# EAGLE board Mk4 Final a Panel score (EAGLE 9.0.1), part 6 of 24
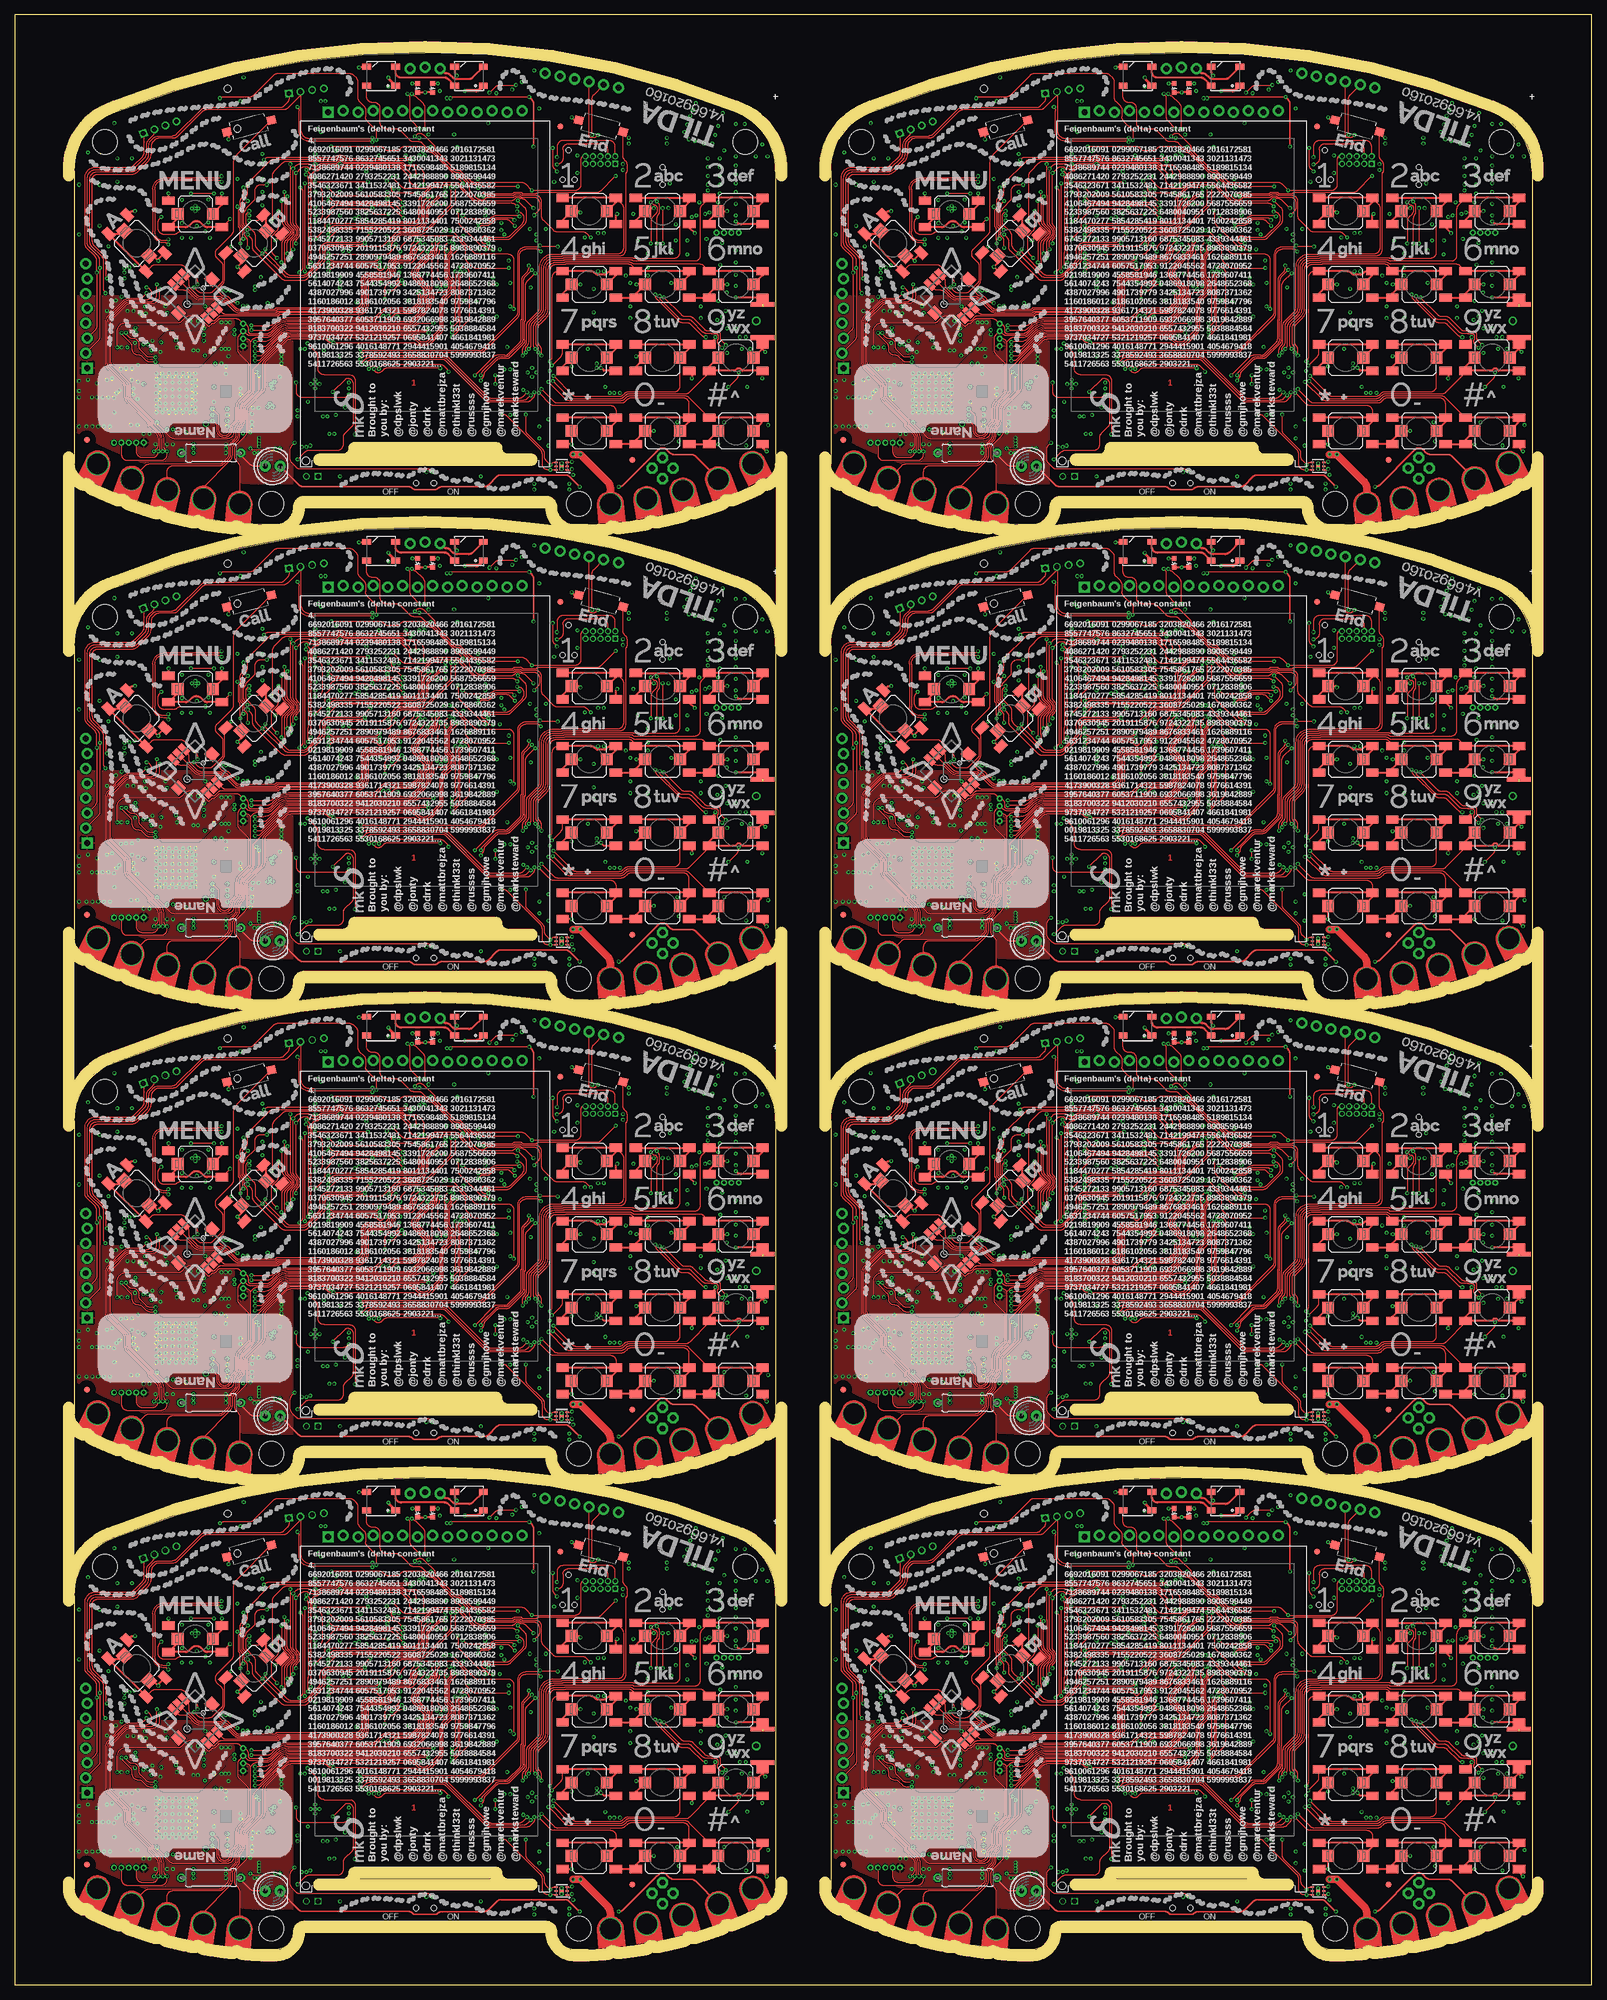
[diagram p0: board, top side]
## Nets (continued)
USB_SHIELD7: C778.2 R559.1 U22.SHIELD U22.SHIELD@0 U22.SHIELD@1 U22.SHIELD@2 U22.SHIELD@3 U22.SHIELD@5
V_UNREG: C40.1 IC8.15 IC8.16 L1.2 PCB.VBATT Q3.5 Q3.6 Q3.7 Q3.8 Q3.EP R13.2 R18.2 TP18.TP
V_UNREG1: C151.1 IC24.15 IC24.16 L12.2 PCB1.VBATT Q7.5 Q7.6 Q7.7 Q7.8 Q7.EP R96.2 R100.2 TP37.TP
V_UNREG2: C259.1 IC42.15 IC42.16 L21.2 PCB2.VBATT Q12.5 Q12.6 Q12.7 Q12.8 Q12.EP R174.2 R178.2 TP56.TP
V_UNREG3: C367.1 IC60.15 IC60.16 L30.2 PCB3.VBATT Q16.5 Q16.6 Q16.7 Q16.8 Q16.EP R252.2 R256.2 TP75.TP
V_UNREG4: C475.1 IC78.15 IC78.16 L39.2 PCB4.VBATT Q20.5 Q20.6 Q20.7 Q20.8 Q20.EP R330.2 R334.2 TP94.TP
V_UNREG5: C583.1 IC96.15 IC96.16 L48.2 PCB5.VBATT Q24.5 Q24.6 Q24.7 Q24.8 Q24.EP R408.2 R412.2 TP113.TP
V_UNREG6: C691.1 IC114.15 IC114.16 L57.2 PCB6.VBATT Q28.5 Q28.6 Q28.7 Q28.8 Q28.EP R486.2 R490.2 TP132.TP
V_UNREG7: C799.1 IC132.15 IC132.16 L66.2 PCB7.VBATT Q32.5 Q32.6 Q32.7 Q32.8 Q32.EP R564.2 R568.2 TP151.TP
VBAT: C34.1 C35.1 IC8.13 IC8.14 J5.2 TP14.TP
VBAT1: C146.1 C147.1 IC24.13 IC24.14 J12.2 TP33.TP
VBAT2: C254.1 C255.1 IC42.13 IC42.14 J22.2 TP52.TP
VBAT3: C362.1 C363.1 IC60.13 IC60.14 J32.2 TP71.TP
VBAT4: C470.1 C471.1 IC78.13 IC78.14 J42.2 TP90.TP
VBAT5: C578.1 C579.1 IC96.13 IC96.14 J52.2 TP109.TP
VBAT6: C686.1 C687.1 IC114.13 IC114.14 J62.2 TP128.TP
VBAT7: C794.1 C795.1 IC132.13 IC132.14 J72.2 TP147.TP
VBATT: C1.1 C29.+ C30.2 C31.2 C32.+ C46.1 D1.C IC5.34 IC5.35 IC9.1 IC9.7 JP2.2 LED1.1 LED2.1 Q3.1 Q3.2 Q3.3 TP15.TP
VBATT1: C111.1 C139.+ C140.2 C141.2 C142.+ C144.1 D3.C IC21.34 IC21.35 IC33.1 IC33.7 JP11.2 LED7.1 LED8.1 Q7.1 Q7.2 Q7.3 TP34.TP
VBATT2: C219.1 C247.+ C248.2 C249.2 C250.+ C252.1 D5.C IC39.34 IC39.35 IC51.1 IC51.7 JP20.2 LED13.1 LED14.1 Q12.1 Q12.2 Q12.3 TP53.TP
VBATT3: C327.1 C355.+ C356.2 C357.2 C358.+ C360.1 D7.C IC57.34 IC57.35 IC69.1 IC69.7 JP29.2 LED19.1 LED20.1 Q16.1 Q16.2 Q16.3 TP72.TP
VBATT4: C435.1 C463.+ C464.2 C465.2 C466.+ C468.1 D9.C IC75.34 IC75.35 IC87.1 IC87.7 JP38.2 LED25.1 LED26.1 Q20.1 Q20.2 Q20.3 TP91.TP
VBATT5: C543.1 C571.+ C572.2 C573.2 C574.+ C576.1 D11.C IC93.34 IC93.35 IC105.1 IC105.7 JP47.2 LED31.1 LED32.1 Q24.1 Q24.2 Q24.3 TP110.TP
VBATT6: C651.1 C679.+ C680.2 C681.2 C682.+ C684.1 D13.C IC111.34 IC111.35 IC123.1 IC123.7 JP56.2 LED37.1 LED38.1 Q28.1 Q28.2 Q28.3 TP129.TP
VBATT7: C759.1 C787.+ C788.2 C789.2 C790.+ C792.1 D15.C IC129.34 IC129.35 IC141.1 IC141.7 JP65.2 LED43.1 LED44.1 Q32.1 Q32.2 Q32.3 TP148.TP
VBUS: C41.1 IC1.96 IC7.5 IC8.1 IC8.24 L2.2 LED6.A TP7.TP
VBUS1: C152.1 IC20.96 IC23.5 IC24.1 IC24.24 L10.2 LED12.A TP26.TP
VBUS2: C260.1 IC38.96 IC41.5 IC42.1 IC42.24 L19.2 LED18.A TP45.TP
VBUS3: C368.1 IC56.96 IC59.5 IC60.1 IC60.24 L28.2 LED24.A TP64.TP
VBUS4: C476.1 IC74.96 IC77.5 IC78.1 IC78.24 L37.2 LED30.A TP83.TP
VBUS5: C584.1 IC92.96 IC95.5 IC96.1 IC96.24 L46.2 LED36.A TP102.TP
VBUS6: C692.1 IC110.96 IC113.5 IC114.1 IC114.24 L55.2 LED42.A TP121.TP
VBUS7: C800.1 IC128.96 IC131.5 IC132.1 IC132.24 L64.2 LED48.A TP140.TP
VBUS_L: L2.1 U1.VBUS
VBUS_L1: L10.1 U2.VBUS
VBUS_L2: L19.1 U7.VBUS
VBUS_L3: L28.1 U10.VBUS
VBUS_L4: L37.1 U13.VBUS
VBUS_L5: L46.1 U16.VBUS
VBUS_L6: L55.1 U19.VBUS
VBUS_L7: L64.1 U22.VBUS
VDD_ANA: C44.1 C61.1 C62.1 C63.1 IC15.25 IC15.36 IC15.48 L7.1
VDD_ANA1: C188.1 C189.1 C190.1 C191.1 IC29.25 IC29.36 IC29.48 L16.1
VDD_ANA2: C296.1 C297.1 C298.1 C299.1 IC47.25 IC47.36 IC47.48 L25.1
VDD_ANA3: C404.1 C405.1 C406.1 C407.1 IC65.25 IC65.36 IC65.48 L34.1
VDD_ANA4: C512.1 C513.1 C514.1 C515.1 IC83.25 IC83.36 IC83.48 L43.1
VDD_ANA5: C620.1 C621.1 C622.1 C623.1 IC101.25 IC101.36 IC101.48 L52.1
VDD_ANA6: C728.1 C729.1 C730.1 C731.1 IC119.25 IC119.36 IC119.48 L61.1
VDD_ANA7: C836.1 C837.1 C838.1 C839.1 IC137.25 IC137.36 IC137.48 L70.1
VDD_DIG_CC: C87.1 C96.1 C97.1 IC15.9 IC15.56 L9.1
VDD_DIG_CC1: C195.1 C204.1 C205.1 IC29.9 IC29.56 L18.1
VDD_DIG_CC2: C303.1 C312.1 C313.1 IC47.9 IC47.56 L27.1
VDD_DIG_CC3: C411.1 C420.1 C421.1 IC65.9 IC65.56 L36.1
VDD_DIG_CC4: C519.1 C528.1 C529.1 IC83.9 IC83.56 L45.1
VDD_DIG_CC5: C627.1 C636.1 C637.1 IC101.9 IC101.56 L54.1
VDD_DIG_CC6: C735.1 C744.1 C745.1 IC119.9 IC119.56 L63.1
VDD_DIG_CC7: C843.1 C852.1 C853.1 IC137.9 IC137.56 L72.1
VDD_EXT: IC5.40 R29.1
VDD_EXT1: IC21.40 R111.1
VDD_EXT2: IC39.40 R189.1
VDD_EXT3: IC57.40 R267.1
VDD_EXT4: IC75.40 R345.1
VDD_EXT5: IC93.40 R423.1
VDD_EXT6: IC111.40 R501.1
VDD_EXT7: IC129.40 R579.1
VDD_PA: C84.1 C85.1 C86.1 IC15.33 IC15.42
VDD_PA1: C192.1 C193.1 C194.1 IC29.33 IC29.42
VDD_PA2: C300.1 C301.1 C302.1 IC47.33 IC47.42
VDD_PA3: C408.1 C409.1 C410.1 IC65.33 IC65.42
VDD_PA4: C516.1 C517.1 C518.1 IC83.33 IC83.42
VDD_PA5: C624.1 C625.1 C626.1 IC101.33 IC101.42
VDD_PA6: C732.1 C733.1 C734.1 IC119.33 IC119.42
VDD_PA7: C840.1 C841.1 C842.1 IC137.33 IC137.42
VDD_PLL: C94.1 IC15.24
VDD_PLL1: C202.1 IC29.24
VDD_PLL2: C310.1 IC47.24
VDD_PLL3: C418.1 IC65.24
VDD_PLL4: C526.1 IC83.24
VDD_PLL5: C634.1 IC101.24
VDD_PLL6: C742.1 IC119.24
VDD_PLL7: C850.1 IC137.24
VDD_RAM: C95.1 IC15.49
VDD_RAM1: C203.1 IC29.49
VDD_RAM2: C311.1 IC47.49
VDD_RAM3: C419.1 IC65.49
VDD_RAM4: C527.1 IC83.49
VDD_RAM5: C635.1 IC101.49
VDD_RAM6: C743.1 IC119.49
VDD_RAM7: C851.1 IC137.49
VDDC: C6.2 C7.2 C8.2 IC1.87 IC1.115
VDDC1: C116.2 C117.2 C118.2 IC20.87 IC20.115
VDDC2: C224.2 C225.2 C226.2 IC38.87 IC38.115
VDDC3: C332.2 C333.2 C334.2 IC56.87 IC56.115
VDDC4: C440.2 C441.2 C442.2 IC74.87 IC74.115
VDDC5: C548.2 C549.2 C550.2 IC92.87 IC92.115
VDDC6: C656.2 C657.2 C658.2 IC110.87 IC110.115
VDDC7: C764.2 C765.2 C766.2 IC128.87 IC128.115
WFIF_ANT_L [50R Single]: ANT1.1 C77.2 L6.2
WFIF_ANT_L1 [50R Single]: ANT3.1 C178.2 L15.2
WFIF_ANT_L2 [50R Single]: ANT5.1 C286.2 L24.2
WFIF_ANT_L3 [50R Single]: ANT7.1 C394.2 L33.2
WFIF_ANT_L4 [50R Single]: ANT9.1 C502.2 L42.2
WFIF_ANT_L5 [50R Single]: ANT11.1 C610.2 L51.2
WFIF_ANT_L6 [50R Single]: ANT13.1 C718.2 L60.2
WFIF_ANT_L7 [50R Single]: ANT15.1 C826.2 L69.2
WIFI_ANT [50R Single]: C76.2 FL1.OUT L6.1
WIFI_ANT1 [50R Single]: C177.2 FL2.OUT L15.1
WIFI_ANT2 [50R Single]: C285.2 FL3.OUT L24.1
WIFI_ANT3 [50R Single]: C393.2 FL4.OUT L33.1
WIFI_ANT4 [50R Single]: C501.2 FL5.OUT L42.1
WIFI_ANT5 [50R Single]: C609.2 FL6.OUT L51.1
WIFI_ANT6 [50R Single]: C717.2 FL7.OUT L60.1
WIFI_ANT7 [50R Single]: C825.2 FL8.OUT L69.1
WIFI_ANT_F [50R Single]: FL1.IN IC15.31
WIFI_ANT_F1 [50R Single]: FL2.IN IC29.31
WIFI_ANT_F2 [50R Single]: FL3.IN IC47.31
WIFI_ANT_F3 [50R Single]: FL4.IN IC65.31
WIFI_ANT_F4 [50R Single]: FL5.IN IC83.31
WIFI_ANT_F5 [50R Single]: FL6.IN IC101.31
WIFI_ANT_F6 [50R Single]: FL7.IN IC119.31
WIFI_ANT_F7 [50R Single]: FL8.IN IC137.31
WS2812_OUT: JP2.3 LED2.2
WS2812_OUT1: JP11.3 LED8.2
WS2812_OUT2: JP20.3 LED14.2
WS2812_OUT3: JP29.3 LED20.2
WS2812_OUT4: JP38.3 LED26.2
WS2812_OUT5: JP47.3 LED32.2
WS2812_OUT6: JP56.3 LED38.2
WS2812_OUT7: JP65.3 LED44.2
WS28212_1: LED1.2 LED2.4
WS28212_2: LED7.2 LED8.4
WS28212_3: LED13.2 LED14.4
WS28212_4: LED19.2 LED20.4
WS28212_5: LED25.2 LED26.4
WS28212_6: LED31.2 LED32.4
WS28212_7: LED37.2 LED38.4
WS28212_8: LED43.2 LED44.4
XOSC0: C18.2 IC1.66 X1.P$1
XOSC1: C19.2 IC1.67 X1.P$2
XOSC2: C128.2 IC20.66 X5.P$1
XOSC3: C129.2 IC20.67 X5.P$2
XOSC4: C236.2 IC38.66 X9.P$1
XOSC5: C237.2 IC38.67 X9.P$2
XOSC6: C344.2 IC56.66 X13.P$1
XOSC7: C345.2 IC56.67 X13.P$2
XOSC8: C452.2 IC74.66 X17.P$1
XOSC9: C453.2 IC74.67 X17.P$2
XOSC10: C560.2 IC92.66 X21.P$1
XOSC11: C561.2 IC92.67 X21.P$2
XOSC12: C668.2 IC110.66 X25.P$1
XOSC13: C669.2 IC110.67 X25.P$2
XOSC14: C776.2 IC128.66 X29.P$1
XOSC15: C777.2 IC128.67 X29.P$2

## Tracks (layer width: path | path; a pad name or v marks a point on that pad's centre or on a via)
3V1  (via drill 0.3)
  Top 0.2: IC34.1 223.69,15.35 arc45 v224.05,15.5
  Top 0.3: SW2.COM 162.58,42.17 v161.5,43.25
  Bottom 0.15: v213.5,24.75 C210.1 213,25.5 arc-90 212.5,26 212.5,26.16 arc-90 IC32.5
  Bottom 0.2: IC20.9 202,49.75 C123.2 | IC20.8 202.4,52.19 arc-45 202.55,52.55 v202.75,52.75 202.8,52.7 IC20.7 | IC20.16 199.2,50.01 arc45 199.35,49.65 C122.2 v199.5,48.75 | IC20.47 190.46,58.4 arc45 C120.2 | IC20.113 207.14,58.8 arc45 207.84,59.09 C119.2 | IC20.79 198.4,67.44 arc45 198.11,68.14 C121.2 | IC20.69 194.4,65.86 arc-45 v194.25,65.5 194.15,65.6 arc-45 194,65.96 IC20.68 | 159.75,33.28 IC29.47 | IC20.90 202.8,65.55 v202.75,65.5 | IC20.51 v190,60 190.11,60.11 arc-45 190.81,60.4 IC20.52 | IC20.39 v192.5,55.2 | IC20.28 194.4,50.35 arc90 v194.75,50 arc90 195.2,50.45 IC20.26 | R93.1 v206.5,51.5 | IC20.122 205.62,55.2 arc-45 v205.5,55.25 | v224.05,15.5 C212.1 | IC20.101 207.95,63.6 v208.1,63.45 | R106.2 v211.75,53 | R105.2 212.07,55.32 arc-45 v212.5,55.5 | R144.1 147.5,45.5 arc-45 v147.25,44.9
  Bottom 0.25: J6.41 191.25,44 | J6.40 191.75,43.29 arc45 191.6,43.65 191.25,44 | J6.42 190.75,43.29 arc-45 190.9,43.65 191.25,44 | J6.35 v194.25,41.5 | J6.1 v211.25,41.5 | J6.8 v207.75,44 | J6.7 208.25,43.5 v207.75,44 | J6.9 207.25,43.5 v207.75,44 | C123.2 202.25,48.12 C124.2 202.5,47.62 v202.5,46.75 | v189,58.1 C120.2 | v209.25,59.75 C119.2 | v198,69 C121.2 | R88.2 v198,72 | R89.2 v189,66.25 | C197.1 159.16,34.5 arc45 158.46,34.21 arc45 158.25,33.71 IC29.44 | IC29.39 155.75,35.55 C198.1 | IC29.37 154.75,35.35 C196.1 | C199.1 v155,22.25 155.46,22.71 arc45 155.75,23.41 IC29.10 | C200.1 v163,29.5 162.9,29.6 arc45 162.54,29.75 IC29.54 | IC31.21 C131.2 | v213,36.3 R152.2 | JP12.8 201.35,77.71 arc45 201.5,78.06 C113.2 | IC28.6 160.12,57.02 v160.05,56.95 C185.1
  Bottom 0.3: 160.22,33.75 159.75,33.28 | R151.2 v148.25,36.25 | JP10.1 224.63,68.63 v225,69 | IC27.14 233.81,65.44 R134.2 C172.2 v232.75,66.5 | IC22.8 208.35,52.15 C112.2 v208.25,53 | R94.1 v217,46.5 | C138.2 181.43,48.25 IC19.27 181.33,48.25 v180.25,48.25 | v171.25,60.5 arc-45 170.77,60.3 IC19.43 168.8,60.3 C134.2 | v171.25,65 171.15,65.1 IC19.49 168.85,65.1 C137.2 | v180.25,67.5 IC19.3 C132.2 | v180.25,69.25 180.4,69.1 IC19.1 182.65,69.1 C136.2 | v180.25,62.75 180.3,62.7 IC19.9 182.7,62.7 C133.2 | v180.25,58.75 180.3,58.7 IC19.14 182.7,58.7 C135.2 | C153.2 v165,40.5 | C153.2 165.75,41 v165.75,40.5 | C153.2 164.25,41 v164.25,40.5 | v218,55.5 R128.2 | C211.1 R138.1 | R104.2 R103.2 v184.3,54.75 | C196.1 v153.85,35.5 | C114.2 207.89,74.61 JP12.11 | v219.6,56.45 C171.2 219.03,56.73 IC26.8 | J16.7 J16.3 | J18.7 J18.3 | IC35.5 C215.1 v217.6,13
  Bottom 0.4: 160.22,33.75 161.19,33.75 arc45 161.89,34.04 C201.1 162.6,35.39 arc-45 162.75,35.75 v163,36 | v160.25,35.75 160.25,35.66 arc-45 159.96,34.96 159.7,34.7 C197.1 159.5,34.7 v159.5,35.75 | C198.1 156.1,35.7 v156.65,36.25 | v165.25,25.75 R146.2 | v165.25,23.75 R147.2 | v155,42.15 155.5,42.15 arc90 156.5,43.15 C186.2 156.5,43.53 arc45 156.21,44.24 IC30.8 | R145.2 v151.25,43.25 | v213.5,32.5 C131.2 | v167.95,21.6 R138.1 | C154.2 v159.5,19 | C154.2 160,19.75 v159.5,19.75 | C154.2 160,18.25 v159.5,18.25 | IC36.1 226.05,16 C216.1 224.96,16 arc45 224.26,15.71 v224.05,15.5 | TP35.TP 172.55,27.95 v172.55,26.65
  Bottom 0.5: C115.2 216.14,76 JP12.14
  other vias: 191.5,47.25 172.15,26.15 172.95,26.15 173.3,30.35 173,29.35 172.7,29.95
  pour 3V3@2 (isolate 0.254, rank 6): 139.2,68.5 139.2,15 arc31 171,6 173.7,6 arc90 176.5,8.8 arc-90 178.5,10.8 219.5,10.8 arc-90 221.5,8.8 arc90 224.3,6 227,6 arc31 258.8,15 258.8,38.5 252.5,38.5 252.5,68.5 258.8,68.5 arc64 252.25,76.25 arc24 199,86.5 arc24 145.75,76.25 arc55
  pour Bottom (no thermals): 191.25,46 191.25,47.3 191.45,47.5 191.8,47.5 192,47.3 192,45.75 191.5,45.25 191.5,43.75 191,43.75 191,45.75
  pour Bottom (no thermals): 175.3,21.65 173.75,21.65 173.35,22.05 arc45 172.99,22.2 171.85,22.2 171.85,29.39 arc-45 172,29.75 172.85,30.6 arc-45 173.21,30.75 173.25,30.75 arc-90 173.75,30.25 173.75,30.11 arc-45 173.6,29.75 173.45,29.6 arc45 173.3,29.24 173.3,23.4 arc90 173.8,22.9 174.8,22.9 arc-90 175.3,22.4
  pour Top: 163.35,40.85 161.65,39.15 arc-45 161.29,39 155.41,39 arc45 154.71,38.71 153.79,37.79 arc45 153.5,37.09 153.5,34 arc90 154.5,33 160.09,33 arc45 160.79,33.29 164.71,37.21 arc45 165,37.91 165,38.29 arc-45 165.15,38.65 166.35,39.85 arc45 166.5,40.21 166.5,40.5 arc90 166,41 163.71,41 arc45
3V2  (via drill 0.3)
  Top 0.2: IC52.1 94.69,96.35 arc45 v95.05,96.5
  Top 0.3: SW3.COM 33.58,123.17 v32.5,124.25
  Bottom 0.15: v84.5,105.75 C318.1 84,106.5 arc-90 83.5,107 83.5,107.16 arc-90 IC50.5
  Bottom 0.2: IC38.9 73,130.75 C231.2 | IC38.8 73.4,133.19 arc-45 73.55,133.55 v73.75,133.75 73.8,133.7 IC38.7 | IC38.16 70.2,131.01 arc45 70.35,130.65 C230.2 v70.5,129.75 | IC38.47 61.46,139.4 arc45 C228.2 | IC38.113 78.14,139.8 arc45 78.84,140.09 C227.2 | IC38.79 69.4,148.44 arc45 69.11,149.14 C229.2 | IC38.69 65.4,146.86 arc-45 v65.25,146.5 65.15,146.6 arc-45 65,146.96 IC38.68 | 30.75,114.28 IC47.47 | IC38.90 73.8,146.55 v73.75,146.5 | IC38.51 v61,141 61.11,141.11 arc-45 61.81,141.4 IC38.52 | IC38.39 v63.5,136.2 | IC38.28 65.4,131.35 arc90 v65.75,131 arc90 66.2,131.45 IC38.26 | R171.1 v77.5,132.5 | IC38.122 76.62,136.2 arc-45 v76.5,136.25 | v95.05,96.5 C320.1 | IC38.101 78.95,144.6 v79.1,144.45 | R184.2 v82.75,134 | R183.2 83.07,136.32 arc-45 v83.5,136.5 | R222.1 18.5,126.5 arc-45 v18.25,125.9
  Bottom 0.25: J21.41 62.25,125 | J21.40 62.75,124.29 arc45 62.6,124.65 62.25,125 | J21.42 61.75,124.29 arc-45 61.9,124.65 62.25,125 | J21.35 v65.25,122.5 | J21.1 v82.25,122.5 | J21.8 v78.75,125 | J21.7 79.25,124.5 v78.75,125 | J21.9 78.25,124.5 v78.75,125 | C231.2 73.25,129.12 C232.2 73.5,128.62 v73.5,127.75 | v60,139.1 C228.2 | v80.25,140.75 C227.2 | v69,150 C229.2 | R166.2 v69,153 | R167.2 v60,147.25 | C305.1 30.16,115.5 arc45 29.46,115.21 arc45 29.25,114.71 IC47.44 | IC47.39 26.75,116.55 C306.1 | IC47.37 25.75,116.35 C304.1 | C307.1 v26,103.25 26.46,103.71 arc45 26.75,104.41 IC47.10 | C308.1 v34,110.5 33.9,110.6 arc45 33.54,110.75 IC47.54 | IC49.21 C239.2 | v84,117.3 R230.2 | JP21.8 72.35,158.71 arc45 72.5,159.06 C221.2 | IC46.6 31.12,138.03 v31.05,137.95 C293.1
  Bottom 0.3: 31.22,114.75 30.75,114.28 | R229.2 v19.25,117.25 | JP19.1 95.63,149.63 v96,150 | IC45.14 104.81,146.44 R212.2 C280.2 v103.75,147.5 | IC40.8 79.35,133.15 C220.2 v79.25,134 | R172.1 v88,127.5 | C246.2 52.43,129.25 IC37.27 52.33,129.25 v51.25,129.25 | v42.25,141.5 arc-45 41.77,141.3 IC37.43 39.8,141.3 C242.2 | v42.25,146 42.15,146.1 IC37.49 39.85,146.1 C245.2 | v51.25,148.5 IC37.3 C240.2 | v51.25,150.25 51.4,150.1 IC37.1 53.65,150.1 C244.2 | v51.25,143.75 51.3,143.7 IC37.9 53.7,143.7 C241.2 | v51.25,139.75 51.3,139.7 IC37.14 53.7,139.7 C243.2 | C261.2 v36,121.5 | C261.2 36.75,122 v36.75,121.5 | C261.2 35.25,122 v35.25,121.5 | v89,136.5 R206.2 | C319.1 R216.1 | R182.2 R181.2 v55.3,135.75 | C304.1 v24.85,116.5 | C222.2 78.89,155.61 JP21.11 | v90.6,137.45 C279.2 90.03,137.72 IC44.8 | J26.7 J26.3 | J28.7 J28.3 | IC53.5 C323.1 v88.6,94
  Bottom 0.4: 31.22,114.75 32.19,114.75 arc45 32.89,115.04 C309.1 33.6,116.39 arc-45 33.75,116.75 v34,117 | v31.25,116.75 31.25,116.66 arc-45 30.96,115.96 30.7,115.7 C305.1 30.5,115.7 v30.5,116.75 | C306.1 27.1,116.7 v27.65,117.25 | v36.25,106.75 R224.2 | v36.25,104.75 R225.2 | v26,123.15 26.5,123.15 arc90 27.5,124.15 C294.2 27.5,124.53 arc45 27.21,125.24 IC48.8 | R223.2 v22.25,124.25 | v84.5,113.5 C239.2 | v38.95,102.6 R216.1 | C262.2 v30.5,100 | C262.2 31,100.75 v30.5,100.75 | C262.2 31,99.25 v30.5,99.25 | IC54.1 97.05,97 C324.1 95.96,97 arc45 95.26,96.71 v95.05,96.5 | TP54.TP 43.55,108.95 v43.55,107.65
  Bottom 0.5: C223.2 87.14,157 JP21.14
  other vias: 62.5,128.25 43.15,107.15 43.95,107.15 44.3,111.35 44,110.35 43.7,110.95
  pour 3V3@2 (isolate 0.254, rank 6): 10.2,149.5 10.2,96 arc31 42,87 44.7,87 arc90 47.5,89.8 arc-90 49.5,91.8 90.5,91.8 arc-90 92.5,89.8 arc90 95.3,87 98,87 arc31 129.8,96 129.8,119.5 123.5,119.5 123.5,149.5 129.8,149.5 arc64 123.25,157.25 arc24 70,167.5 arc24 16.75,157.25 arc55
  pour Bottom (no thermals): 62.25,127 62.25,128.3 62.45,128.5 62.8,128.5 63,128.3 63,126.75 62.5,126.25 62.5,124.75 62,124.75 62,126.75
  pour Bottom (no thermals): 46.3,102.65 44.75,102.65 44.35,103.05 arc45 43.99,103.2 42.85,103.2 42.85,110.39 arc-45 43,110.75 43.85,111.6 arc-45 44.21,111.75 44.25,111.75 arc-90 44.75,111.25 44.75,111.11 arc-45 44.6,110.75 44.45,110.6 arc45 44.3,110.24 44.3,104.4 arc90 44.8,103.9 45.8,103.9 arc-90 46.3,103.4
  pour Top: 34.35,121.85 32.65,120.15 arc-45 32.29,120 26.41,120 arc45 25.71,119.71 24.79,118.79 arc45 24.5,118.09 24.5,115 arc90 25.5,114 31.09,114 arc45 31.79,114.29 35.71,118.21 arc45 36,118.91 36,119.29 arc-45 36.15,119.65 37.35,120.85 arc45 37.5,121.21 37.5,121.5 arc90 37,122 34.71,122 arc45
3V3  (via drill 0.3)
  Top 0.2: IC17.1 94.69,15.35 arc45 v95.05,15.5
  Top 0.3: SW1.COM 33.58,42.17 v32.5,43.25
  Bottom 0.15: v84.5,24.75 C102.1 84,25.5 arc-90 83.5,26 83.5,26.16 arc-90 IC16.5
  Bottom 0.2: IC1.9 73,49.75 C13.2 | IC1.8 73.4,52.19 arc-45 73.55,52.55 v73.75,52.75 73.8,52.7 IC1.7 | IC1.16 70.2,50.01 arc45 70.35,49.65 C12.2 v70.5,48.75 | IC1.47 61.46,58.4 arc45 C10.2 | IC1.113 78.14,58.8 arc45 78.84,59.09 C9.2 | IC1.79 69.4,67.44 arc45 69.11,68.14 C11.2 | IC1.69 65.4,65.86 arc-45 v65.25,65.5 65.15,65.6 arc-45 65,65.96 IC1.68 | 30.75,33.28 IC15.47 | IC1.90 73.8,65.55 v73.75,65.5 | IC1.51 v61,60 61.11,60.11 arc-45 61.81,60.4 IC1.52 | IC1.39 v63.5,55.2 | IC1.28 65.4,50.35 arc90 v65.75,50 arc90 66.2,50.45 IC1.26 | R9.1 v77.5,51.5 | IC1.122 76.62,55.2 arc-45 v76.5,55.25 | v95.05,15.5 C104.1 | IC1.101 78.95,63.6 v79.1,63.45 | R24.2 v82.75,53 | R23.2 83.07,55.32 arc-45 v83.5,55.5 | R66.1 18.5,45.5 arc-45 v18.25,44.9
  Bottom 0.25: J2.41 62.25,44 | J2.40 62.75,43.29 arc45 62.6,43.65 62.25,44 | J2.42 61.75,43.29 arc-45 61.9,43.65 62.25,44 | J2.35 v65.25,41.5 | J2.1 v82.25,41.5 | J2.8 v78.75,44 | J2.7 79.25,43.5 v78.75,44 | J2.9 78.25,43.5 v78.75,44 | C13.2 73.25,48.12 C14.2 73.5,47.62 v73.5,46.75 | v60,58.1 C10.2 | v80.25,59.75 C9.2 | v69,69 C11.2 | R4.2 v69,72 | R5.2 v60,66.25 | C89.1 30.16,34.5 arc45 29.46,34.21 arc45 29.25,33.71 IC15.44 | IC15.39 26.75,35.55 C90.1 | IC15.37 25.75,35.35 C88.1 | C91.1 v26,22.25 26.46,22.71 arc45 26.75,23.41 IC15.10 | C92.1 v34,29.5 33.9,29.6 arc45 33.54,29.75 IC15.54 | IC4.21 C21.2 | v84,36.3 R76.2 | JP7.8 72.35,77.71 arc45 72.5,78.06 C3.2 | IC13.6 31.12,57.02 v31.05,56.95 C58.1
  Bottom 0.3: 31.22,33.75 30.75,33.28 | R73.2 v19.25,36.25 | JP4.1 95.63,68.63 v96,69 | IC12.14 104.81,65.44 R56.2 C71.2 v103.75,66.5 | IC6.8 79.35,52.15 C2.2 v79.25,53 | R10.1 v88,46.5 | C28.2 52.43,48.25 IC2.27 52.33,48.25 v51.25,48.25 | v42.25,60.5 arc-45 41.77,60.3 IC2.43 39.8,60.3 C24.2 | v42.25,65 42.15,65.1 IC2.49 39.85,65.1 C27.2 | v51.25,67.5 IC2.3 C22.2 | v51.25,69.25 51.4,69.1 IC2.1 53.65,69.1 C26.2 | v51.25,62.75 51.3,62.7 IC2.9 53.7,62.7 C23.2 | v51.25,58.75 51.3,58.7 IC2.14 53.7,58.7 C25.2 | C42.2 v36,40.5 | C42.2 36.75,41 v36.75,40.5 | C42.2 35.25,41 v35.25,40.5 | v89,55.5 R50.2 | C103.1 R60.1 | R22.2 R21.2 v55.3,54.75 | C88.1 v24.85,35.5 | C4.2 78.89,74.61 JP7.11 | v90.6,56.45 C70.2 90.03,56.73 IC11.8 | J10.7 J10.3 | J8.7 J8.3 | IC3.5 C107.1 v88.6,13
  Bottom 0.4: 31.22,33.75 32.19,33.75 arc45 32.89,34.04 C93.1 33.6,35.39 arc-45 33.75,35.75 v34,36 | v31.25,35.75 31.25,35.66 arc-45 30.96,34.96 30.7,34.7 C89.1 30.5,34.7 v30.5,35.75 | C90.1 27.1,35.7 v27.65,36.25 | v36.25,25.75 R68.2 | v36.25,23.75 R69.2 | v26,42.15 26.5,42.15 arc90 27.5,43.15 C59.2 27.5,43.53 arc45 27.21,44.24 IC14.8 | R67.2 v22.25,43.25 | v84.5,32.5 C21.2 | v38.95,21.6 R60.1 | C43.2 v30.5,19 | C43.2 31,19.75 v30.5,19.75 | C43.2 31,18.25 v30.5,18.25 | IC18.1 97.05,16 C108.1 95.96,16 arc45 95.26,15.71 v95.05,15.5 | TP16.TP 43.55,27.95 v43.55,26.65
  Bottom 0.5: C5.2 87.14,76 JP7.14
  other vias: 62.5,47.25 43.15,26.15 43.95,26.15 44.3,30.35 44,29.35 43.7,29.95
  pour 3V3@2 (isolate 0.254, rank 6): 10.2,68.5 10.2,15 arc31 42,6 44.7,6 arc90 47.5,8.8 arc-90 49.5,10.8 90.5,10.8 arc-90 92.5,8.8 arc90 95.3,6 98,6 arc31 129.8,15 129.8,38.5 123.5,38.5 123.5,68.5 129.8,68.5 arc64 123.25,76.25 arc24 70,86.5 arc24 16.75,76.25 arc55
  pour Bottom (no thermals): 62.25,46 62.25,47.3 62.45,47.5 62.8,47.5 63,47.3 63,45.75 62.5,45.25 62.5,43.75 62,43.75 62,45.75
  pour Bottom (no thermals): 46.3,21.65 44.75,21.65 44.35,22.05 arc45 43.99,22.2 42.85,22.2 42.85,29.39 arc-45 43,29.75 43.85,30.6 arc-45 44.21,30.75 44.25,30.75 arc-90 44.75,30.25 44.75,30.11 arc-45 44.6,29.75 44.45,29.6 arc45 44.3,29.24 44.3,23.4 arc90 44.8,22.9 45.8,22.9 arc-90 46.3,22.4
  pour Top: 34.35,40.85 32.65,39.15 arc-45 32.29,39 26.41,39 arc45 25.71,38.71 24.79,37.79 arc45 24.5,37.09 24.5,34 arc90 25.5,33 31.09,33 arc45 31.79,33.29 35.71,37.21 arc45 36,37.91 36,38.29 arc-45 36.15,38.65 37.35,39.85 arc45 37.5,40.21 37.5,40.5 arc90 37,41 34.71,41 arc45
3V4  (via drill 0.3)
  Top 0.2: IC70.1 223.69,96.35 arc45 v224.05,96.5
  Top 0.3: SW4.COM 162.58,123.17 v161.5,124.25
  Bottom 0.15: v213.5,105.75 C426.1 213,106.5 arc-90 212.5,107 212.5,107.16 arc-90 IC68.5
  Bottom 0.2: IC56.9 202,130.75 C339.2 | IC56.8 202.4,133.19 arc-45 202.55,133.55 v202.75,133.75 202.8,133.7 IC56.7 | IC56.16 199.2,131.01 arc45 199.35,130.65 C338.2 v199.5,129.75 | IC56.47 190.46,139.4 arc45 C336.2 | IC56.113 207.14,139.8 arc45 207.84,140.09 C335.2 | IC56.79 198.4,148.44 arc45 198.11,149.14 C337.2 | IC56.69 194.4,146.86 arc-45 v194.25,146.5 194.15,146.6 arc-45 194,146.96 IC56.68 | 159.75,114.28 IC65.47 | IC56.90 202.8,146.55 v202.75,146.5 | IC56.51 v190,141 190.11,141.11 arc-45 190.81,141.4 IC56.52 | IC56.39 v192.5,136.2 | IC56.28 194.4,131.35 arc90 v194.75,131 arc90 195.2,131.45 IC56.26 | R249.1 v206.5,132.5 | IC56.122 205.62,136.2 arc-45 v205.5,136.25 | v224.05,96.5 C428.1 | IC56.101 207.95,144.6 v208.1,144.45 | R262.2 v211.75,134 | R261.2 212.07,136.32 arc-45 v212.5,136.5 | R300.1 147.5,126.5 arc-45 v147.25,125.9
  Bottom 0.25: J31.41 191.25,125 | J31.40 191.75,124.29 arc45 191.6,124.65 191.25,125 | J31.42 190.75,124.29 arc-45 190.9,124.65 191.25,125 | J31.35 v194.25,122.5 | J31.1 v211.25,122.5 | J31.8 v207.75,125 | J31.7 208.25,124.5 v207.75,125 | J31.9 207.25,124.5 v207.75,125 | C339.2 202.25,129.12 C340.2 202.5,128.62 v202.5,127.75 | v189,139.1 C336.2 | v209.25,140.75 C335.2 | v198,150 C337.2 | R244.2 v198,153 | R245.2 v189,147.25 | C413.1 159.16,115.5 arc45 158.46,115.21 arc45 158.25,114.71 IC65.44 | IC65.39 155.75,116.55 C414.1 | IC65.37 154.75,116.35 C412.1 | C415.1 v155,103.25 155.46,103.71 arc45 155.75,104.41 IC65.10 | C416.1 v163,110.5 162.9,110.6 arc45 162.54,110.75 IC65.54 | IC67.21 C347.2 | v213,117.3 R308.2 | JP30.8 201.35,158.71 arc45 201.5,159.06 C329.2 | IC64.6 160.12,138.03 v160.05,137.95 C401.1
  Bottom 0.3: 160.22,114.75 159.75,114.28 | R307.2 v148.25,117.25 | JP28.1 224.63,149.63 v225,150 | IC63.14 233.81,146.44 R290.2 C388.2 v232.75,147.5 | IC58.8 208.35,133.15 C328.2 v208.25,134 | R250.1 v217,127.5 | C354.2 181.43,129.25 IC55.27 181.33,129.25 v180.25,129.25 | v171.25,141.5 arc-45 170.77,141.3 IC55.43 168.8,141.3 C350.2 | v171.25,146 171.15,146.1 IC55.49 168.85,146.1 C353.2 | v180.25,148.5 IC55.3 C348.2 | v180.25,150.25 180.4,150.1 IC55.1 182.65,150.1 C352.2 | v180.25,143.75 180.3,143.7 IC55.9 182.7,143.7 C349.2 | v180.25,139.75 180.3,139.7 IC55.14 182.7,139.7 C351.2 | C369.2 v165,121.5 | C369.2 165.75,122 v165.75,121.5 | C369.2 164.25,122 v164.25,121.5 | v218,136.5 R284.2 | C427.1 R294.1 | R260.2 R259.2 v184.3,135.75 | C412.1 v153.85,116.5 | C330.2 207.89,155.61 JP30.11 | v219.6,137.45 C387.2 219.03,137.72 IC62.8 | J36.7 J36.3 | J38.7 J38.3 | IC71.5 C431.1 v217.6,94
  Bottom 0.4: 160.22,114.75 161.19,114.75 arc45 161.89,115.04 C417.1 162.6,116.39 arc-45 162.75,116.75 v163,117 | v160.25,116.75 160.25,116.66 arc-45 159.96,115.96 159.7,115.7 C413.1 159.5,115.7 v159.5,116.75 | C414.1 156.1,116.7 v156.65,117.25 | v165.25,106.75 R302.2 | v165.25,104.75 R303.2 | v155,123.15 155.5,123.15 arc90 156.5,124.15 C402.2 156.5,124.53 arc45 156.21,125.24 IC66.8 | R301.2 v151.25,124.25 | v213.5,113.5 C347.2 | v167.95,102.6 R294.1 | C370.2 v159.5,100 | C370.2 160,100.75 v159.5,100.75 | C370.2 160,99.25 v159.5,99.25 | IC72.1 226.05,97 C432.1 224.96,97 arc45 224.26,96.71 v224.05,96.5 | TP73.TP 172.55,108.95 v172.55,107.65
  Bottom 0.5: C331.2 216.14,157 JP30.14
  other vias: 191.5,128.25 172.15,107.15 172.95,107.15 173.3,111.35 173,110.35 172.7,110.95
  pour 3V3@2 (isolate 0.254, rank 6): 139.2,149.5 139.2,96 arc31 171,87 173.7,87 arc90 176.5,89.8 arc-90 178.5,91.8 219.5,91.8 arc-90 221.5,89.8 arc90 224.3,87 227,87 arc31 258.8,96 258.8,119.5 252.5,119.5 252.5,149.5 258.8,149.5 arc64 252.25,157.25 arc24 199,167.5 arc24 145.75,157.25 arc55
  pour Bottom (no thermals): 191.25,127 191.25,128.3 191.45,128.5 191.8,128.5 192,128.3 192,126.75 191.5,126.25 191.5,124.75 191,124.75 191,126.75
  pour Bottom (no thermals): 175.3,102.65 173.75,102.65 173.35,103.05 arc45 172.99,103.2 171.85,103.2 171.85,110.39 arc-45 172,110.75 172.85,111.6 arc-45 173.21,111.75 173.25,111.75 arc-90 173.75,111.25 173.75,111.11 arc-45 173.6,110.75 173.45,110.6 arc45 173.3,110.24 173.3,104.4 arc90 173.8,103.9 174.8,103.9 arc-90 175.3,103.4
  pour Top: 163.35,121.85 161.65,120.15 arc-45 161.29,120 155.41,120 arc45 154.71,119.71 153.79,118.79 arc45 153.5,118.09 153.5,115 arc90 154.5,114 160.09,114 arc45 160.79,114.29 164.71,118.21 arc45 165,118.91 165,119.29 arc-45 165.15,119.65 166.35,120.85 arc45 166.5,121.21 166.5,121.5 arc90 166,122 163.71,122 arc45